# Altium PCB Freezer_Power.PcbDoc (part 3 of 3)
Units mm, origin at the board's own origin, x right, y up, seen from the top; angles counter-clockwise.
Board outline 105 x 115 mm, 6 copper layers (Top Layer, Layer 1, Layer 2, Layer 3, Layer 4, Bottom Layer), stack 1.611 mm thick; 312 components, 161 nets, 807 pads, 469 vias.
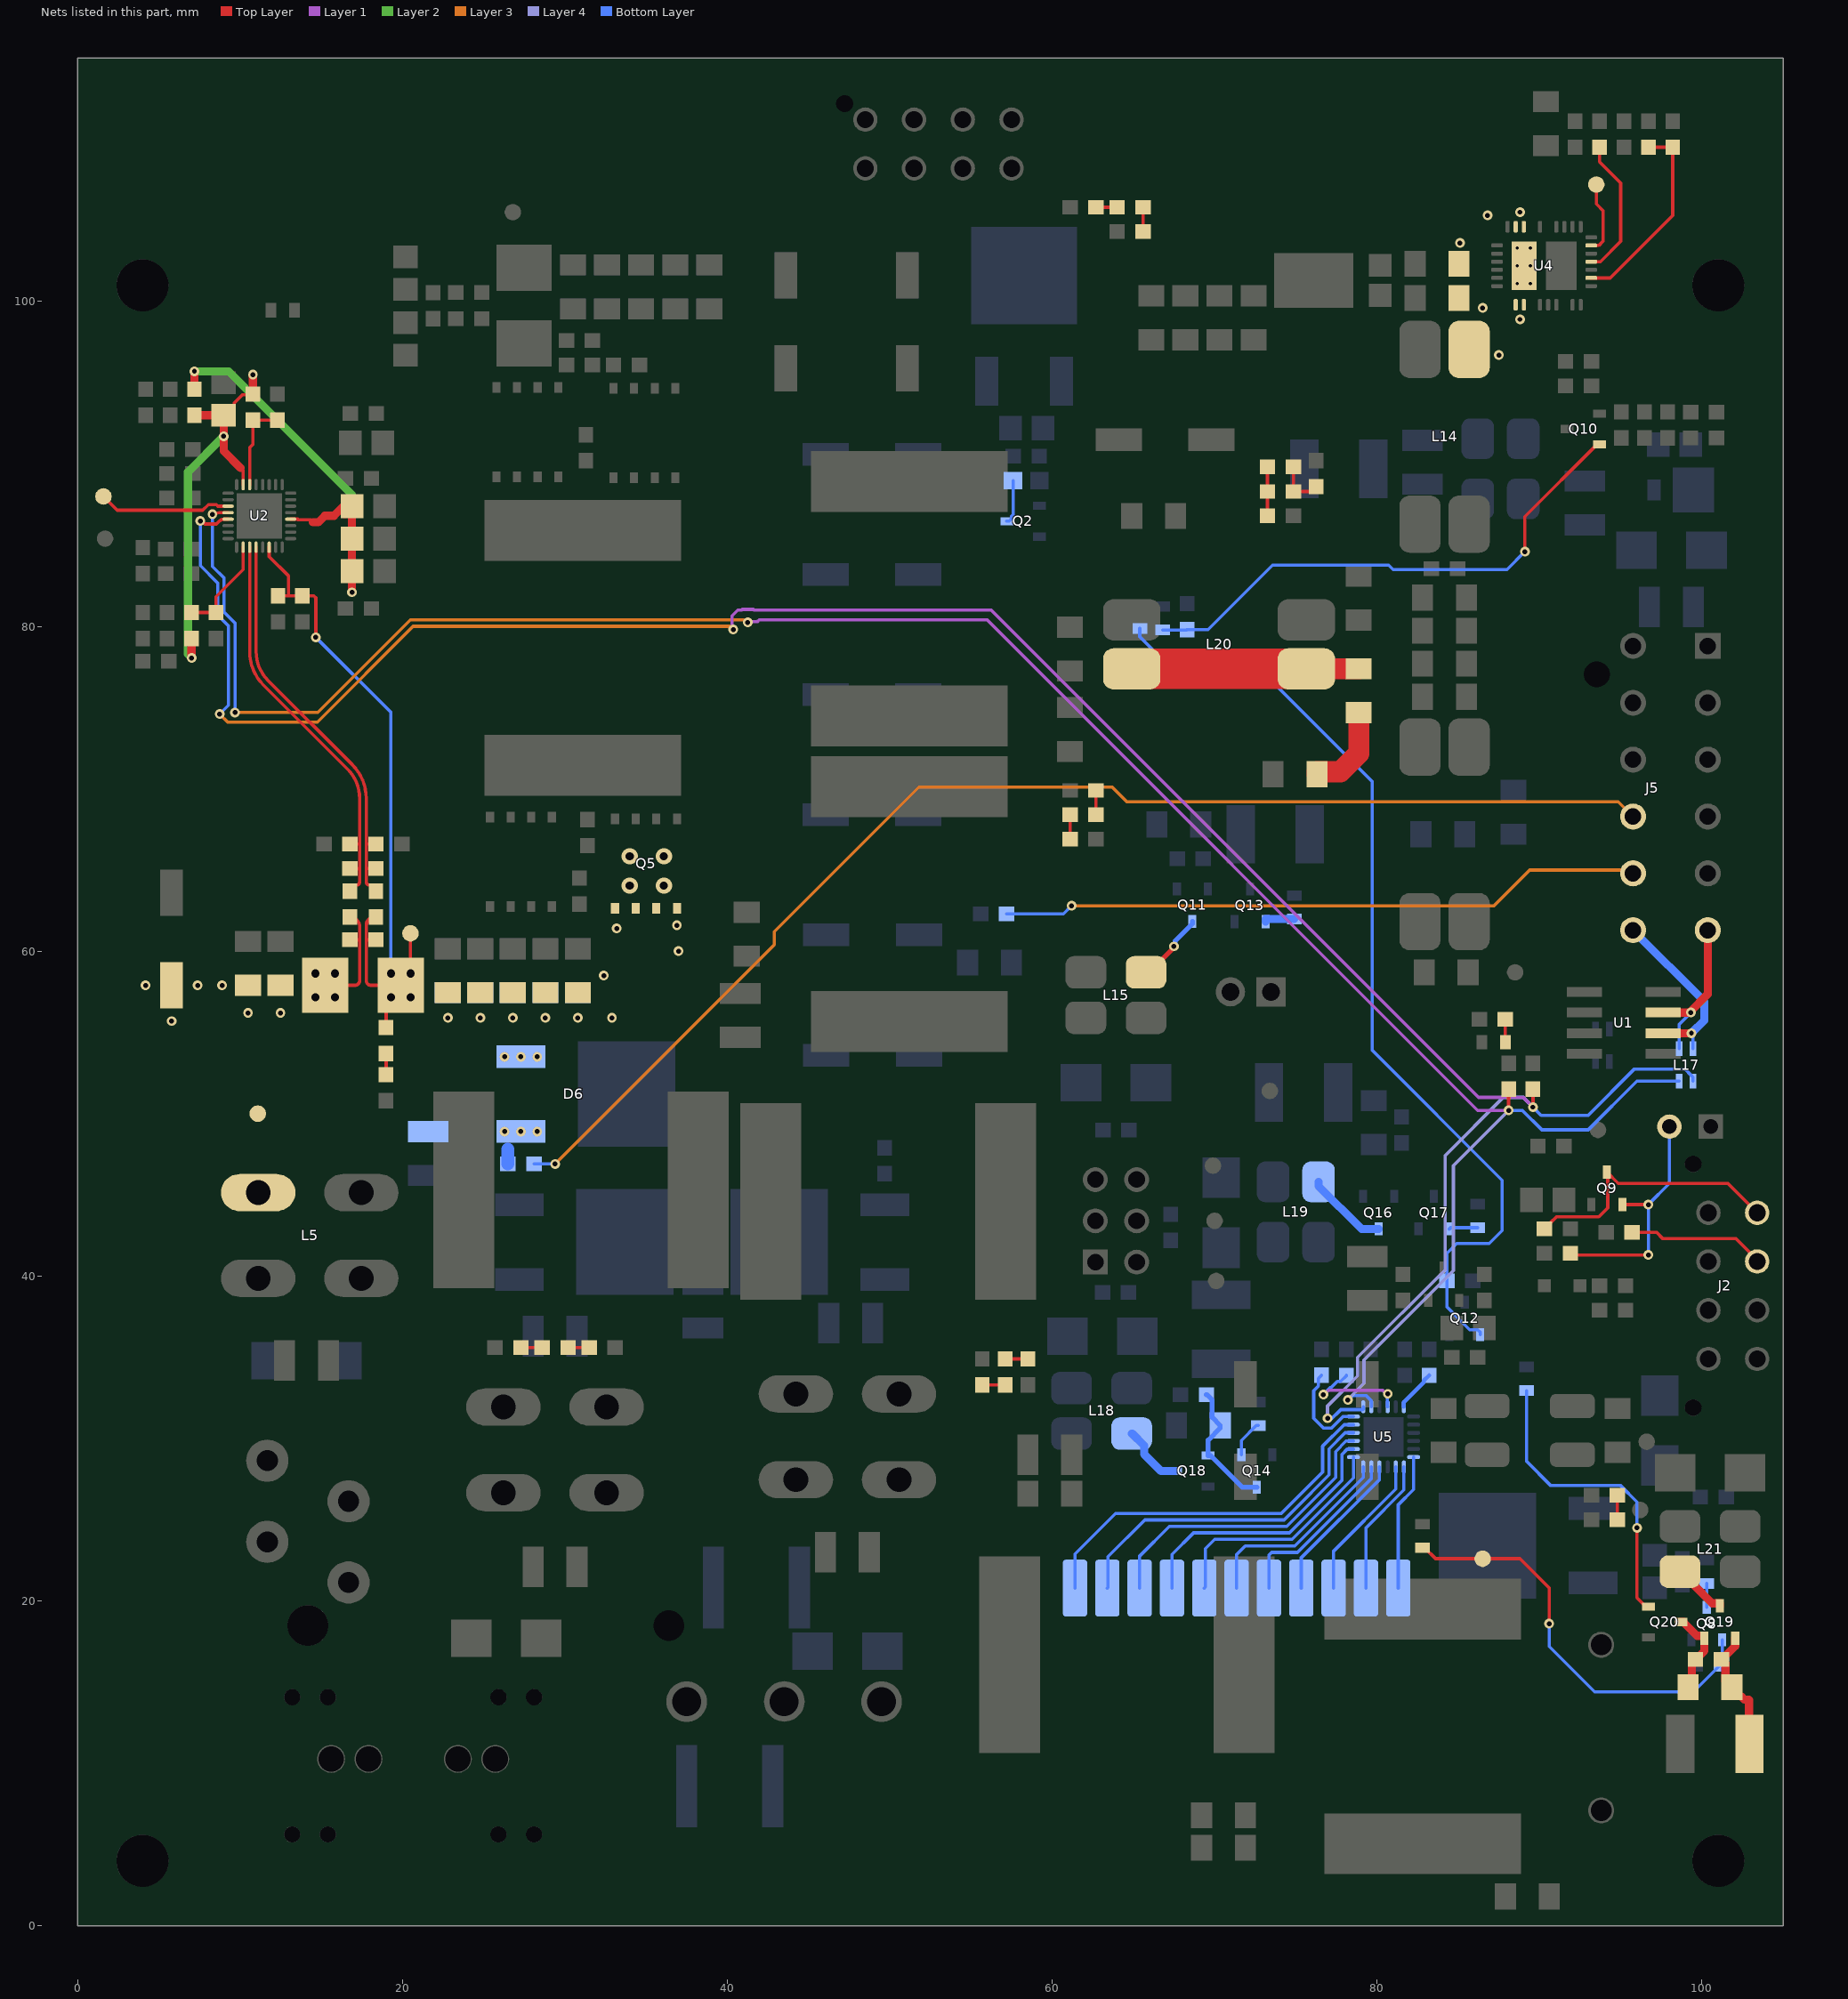
[diagram p7: the nets of this part, all layers, seen from the top]

## Via types
v1: diameter 0.6, hole 0.3, Top Layer to Bottom Layer, tented both sides, 355 vias
v2: diameter 1, hole 0.5, Top Layer to Bottom Layer, tented both sides, 70 vias
v3: diameter 0.5, hole 0.2, Top Layer to Bottom Layer, tented both sides, 20 vias
v4: diameter 0.6, hole 0.3, Top Layer to Bottom Layer, 19 vias
v5: diameter 1, hole 0.5, Top Layer to Bottom Layer, 5 vias

## Nets (pads, with @x,y where several pads share a name; then routed paths per layer and width w, separated by ;. In a path a pad name is that pad's centre, name@x,y a point inside that pad or via, vN(x,y) a via of type N, cw(c..) or ccw(c..) an arc to the next point about the centre after c; other vN are vias at no path point) (continued)
NetC123_2: C123.2 Q14.3 Q18.1 R50.2 | length 8.2
  Bottom Layer w0.3: R50.2@69.5,32.7 69.525,32.7 69.85,32.375 69.85,31.3 C123.2@70.35,30.8 70.35,30.65 69.6,29.9 Q18.1@69.6,28.95 69.75,28.95 71.7,27 Q14.3@72.6,27
NetC127_1: C127.1 R90.2 | length 5.7
  Top Layer w1.3: R90.2@76.3,70.9 76.3,71.05 77.75,71.05 78.875,72.175 C127.1@78.875,74.69
NetC127_2: C127.2 L20.1 L20.4 | length 14
  Top Layer w1.3: L20.1@75.65,77.38 75.66,77.39 C127.2@78.875,77.39
  Top Layer w2.5: L20.4@64.9,77.38 L20.1@75.65,77.38
NetC131_1: C131.1 F6.1 Q19.2 R95.1 | length 7.5
  Top Layer w0.5: R95.1@101.2,16.4 101.225,16.4 102.05,17.225 Q19.2@102.05,17.7 ; R95.1@101.45,16.175 101.45,15.094 C131.1@101.85,14.694 101.85,14.544 102.25,14.144 102.4,14.144 102.625,13.919 102.881,13.919 102.9,13.9 102.9,11.225 F6.1@102.925,11.2
NetC131_2: C131.2 Q19.1 Q20.3 R95.2 | length 5.4
  Top Layer w0.5: Q20.3@98.7,18.7 98.85,18.7 99.7,17.85 100.15,17.85 Q19.1@100.15,17.7 100.15,16.925 99.625,16.4 R95.2@99.6,16.4 99.575,16.4 99.375,16.2 99.375,14.919 C131.2@99.15,14.694
NetD3_1: D3.1 R2.2 | length 1.5
  Top Layer w0.2: D3.1@61.1,66.9 R2.2@61.1,68.4
NetD9_1: D9.1 R20.2 | length 1.5
  Top Layer w0.2: D9.1@65.6,104.3 R20.2@65.6,105.8
NetD11_1: D11.1 R43.1 | length 1.5
  Top Layer w0.2: D11.1@94.8,25 R43.1@94.8,26.5
NetD12_1: D12.1 R62.2 R63.2 | length 2.9
  Top Layer w0.2: R62.2@74.85,89.822 R63.2@74.85,88.3 D12.1@76.25,88.3
NetD13_1: D13.1 R8.2 | length 1.4
  Top Layer w0.2: R8.2@87.9,54.4 D13.1@87.9,55.8
NetD24_1: D24.1 R91.2 | length 1.4
  Top Layer w0.2: R91.2@57.1,34.9 D24.1@58.5,34.9
NetD25_1: D25.1 R93.2 | length 1.3
  Top Layer w0.2: R93.2@30.2,35.6 D25.1@31.5,35.6
NetD26_1: D26.1 R94.2 | length 1.3
  Top Layer w0.2: D26.1@19,52.4 R94.2@19,53.7
NetJ7_1: J7.1 U5.6 | length 8.5
  Bottom Layer w0.2: J7.1@81.308,20.788 81.308,25.922 82.25,26.864 U5.6@82.25,28.85
NetJ8_1: J8.1 U5.7 | length 8.4
  Bottom Layer w0.2: J8.1@79.318,20.788 79.318,24.498 81.65,26.83 U5.7@81.65,28.25
NetJ9_1: J9.1 U5.8 | length 9
  Bottom Layer w0.2: J9.1@77.328,20.788 77.328,23.074 81.15,26.896 U5.8@81.15,28.25
NetJ10_1: J10.1 U5.10 | length 9.5
  Bottom Layer w0.2: J10.1@75.338,20.788 75.338,22.658 80.15,27.47 U5.10@80.15,28.25
NetJ11_1: J11.1 U5.11 | length 11
  Bottom Layer w0.2: J11.1@73.348,20.788 73.348,22.828 73.508,22.988 75.102,22.988 79.65,27.536 U5.11@79.65,28.25
NetJ12_1: J12.1 U5.12 | length 12.5
  Bottom Layer w0.2: J12.1@71.358,20.788 71.358,22.857 71.889,23.388 74.936,23.388 79.15,27.602 U5.12@79.15,28.25
NetJ13_1: J13.1 U5.13 | length 14.7
  Bottom Layer w0.2: J13.1@69.368,20.788 69.441,20.861 69.441,23.221 70.008,23.788 74.771,23.788 78.55,27.567 U5.13@78.55,28.85
NetJ14_1: J14.1 U5.14 | length 16.9
  Bottom Layer w0.2: J14.1@67.378,20.788 67.378,22.858 68.708,24.188 74.605,24.188 77.85,27.433 77.85,29.03 78.16,29.34 78.54,29.34 U5.14@78.55,29.35
NetJ15_1: J15.1 U5.15 | length 19
  Bottom Layer w0.2: J15.1@65.388,20.788 65.388,22.768 67.208,24.588 74.439,24.588 77.45,27.599 77.45,29.196 78.095,29.84 78.54,29.84 U5.15@78.55,29.85
NetJ16_1: J16.1 U5.16 | length 21.2
  Bottom Layer w0.2: J16.1@63.398,20.788 63.441,20.831 63.441,22.721 65.708,24.988 74.074,24.988 ; 74,24.988 74.274,24.988 74.893,25.607 77.05,27.764 77.05,29.361 78.039,30.35 U5.16@78.55,30.35
NetJ17_1: J17.1 U5.17 | length 23.5
  Bottom Layer w0.2: J17.1@61.408,20.788 61.408,22.888 63.908,25.388 74.108,25.388 76.65,27.93 76.65,29.527 77.973,30.85 U5.17@78.55,30.85
NetL15_1: L15.1 Q11.3 | length 4.4
  Top Layer w0.3: L15.1@65.782,58.7 65.966,58.7 67.5,60.234 v4(67.5,60.3)
  Bottom Layer w0.3: v4(67.5,60.3) 67.577,60.377 67.577,60.639 68.628,61.691 Q11.3@68.628,61.841
NetL18_1: L18.1 Q18.3 | length 4
  Bottom Layer w0.5: L18.1@64.9,30.3 64.928,30.3 65.659,29.569 65.659,29.041 66.7,28 Q18.3@67.6,28
NetL19_1: L19.1 Q16.3 | length 5
  Bottom Layer w0.5: L19.1@76.4,45.8 76.4,45.55 79.05,42.9 Q16.3@80.1,42.9
NetL21_1: L21.1 Q19.3 | length 3.5
  Top Layer w0.5: L21.1@98.648,21.8 98.763,21.8 99.494,21.069 99.494,20.987 100.631,19.85 101.1,19.85 Q19.3@101.1,19.7
NetP1_2: P1.2 Q9.2 R60.2 | length 14.9
  Top Layer w0.2: R60.2@91.9,41.4 92,41.3 v4(96.7,41.3) ; Q9.2@95.1,44.4 v4(96.7,44.4)
  Bottom Layer w0.2: v4(96.7,41.3) v4(96.7,44.4) 98,45.7 P1.2@98,49.2
NetQ2_3: Q2.3 R22.1 | length 2.8
  Bottom Layer w0.2: Q2.3@57.209,86.475 57.359,86.475 57.509,86.625 57.509,86.775 57.609,86.875 R22.1@57.609,88.975
NetQ8_1: Q8.1 R41.2 R44.2 TP7.1 | length 26.4
  Top Layer w0.2: R41.2@82.8,23.275 82.925,23.275 83.6,22.6 TP7.1@86.5,22.6 88.8,22.6 90.6,20.8 v4(90.6,18.6)
  Bottom Layer w0.2: v4(90.6,18.6) 90.6,17.2 93.4,14.4 99.475,14.4 101.175,16.1 R44.2@101.2,16.1 101.25,16.15 Q8.1@101.25,17.6
NetQ8_3: Q8.3 R42.1 | length 1.5
  Bottom Layer w0.2: Q8.3@100.3,19.6 R42.1@100.3,21.075
NetQ10_1: Q10.1 R6.2 R13.1 | length 33.1
  Top Layer w0.2: v4(89.1,84.6) 89.1,86.75 93.55,91.2 Q10.1@93.7,91.2
  Bottom Layer w0.2: R6.2@66.8,79.775 68.275,79.775 R13.1@68.3,79.8 69.6,79.8 73.574,83.774 80.723,83.774 80.997,83.5 88,83.5 v4(89.1,84.6)
NetQ12_1: Q12.1 R14.2 R16.2 | length 59.6
  Bottom Layer w0.2: R16.2@65.4,79.875 65.391,79.866 65.391,79.367 66.858,77.9 72.249,77.9 79.7,70.449 79.7,53.9 87.7,45.9 87.7,42.8 86.9,42 84.9,42 84.3,41.4 R14.2@84.3,39.7 84.3,38.1 85.7,36.7 86.2,36.7 86.35,36.55 Q12.1@86.35,36.4
NetQ13_1: Q13.1 R45.2 | length 1.9
  Bottom Layer w0.5: Q13.1@73.134,61.823 73.134,61.973 73.137,61.975 R45.2@74.9,61.975
NetQ14_1: Q14.1 R52.2 | length 2.3
  Bottom Layer w0.2: Q14.1@71.65,29 71.65,29.875 72.575,30.8 R52.2@72.7,30.8
NetQ17_1: Q17.1 R47.2 | length 1.8
  Bottom Layer w0.2: Q17.1@84.45,42.9 84.525,42.975 R47.2@86.2,42.975
NetQ20_1: Q20.1 R9.2 | length 19
  Top Layer w0.2: v4(96,24.5) 96,20.2 96.4,19.8 96.55,19.65 Q20.1@96.7,19.65
  Bottom Layer w0.2: R9.2@89.2,32.95 89.2,28.6 90.7,27.1 95,27.1 96,26.1 v4(96,24.5)
NetR1_1: R1.1 R2.1 | length 1.5
  Top Layer w0.2: R2.1@62.7,68.4 R1.1@62.7,69.9
NetR18_1: R18.1 R20.1 | length 1.3
  Top Layer w0.2: R18.1@62.7,105.8 R20.1@64,105.8
NetR29_1: R29.1 R30.2 U2.18 | length 6.2
  Top Layer w0.2: R29.1@7.025,80.85 R30.2@8.525,80.85 8.525,81.825 10.2,83.5 U2.18@10.2,84.875
NetR31_1: R31.1 R32.1 U2.6 | length 5.6
  Top Layer w0.2: U2.6@10.6,88.725 10.6,91 10.8,91.2 R31.1@10.8,92.7 R32.1@12.3,92.7
NetR61_1: R61.1 R62.1 R63.1 | length 3
  Top Layer w0.2: R61.1@73.25,86.8 R62.1@73.25,89.822
NetR67_1: R67.1 R68.2 U4.31 | length 12.3
  Top Layer w0.2: U4.31@93.185,101.45 94.35,101.45 98.2,105.3 R67.1@98.2,109.5 R68.2@96.7,109.5
NetR70_2: R70.2 U4.33 | length 8.7
  Top Layer w0.2: U4.33@93.185,102.45 93.75,102.45 95,103.7 95,107.3 93.7,108.6 R70.2@93.7,109.5
NetR78_2: R78.2 U5.24 | length 2.6
  Bottom Layer w0.25: U5.24@81.65,31.95 81.65,32.225 82.883,33.458 82.883,33.563 R78.2@83.208,33.888
NetR79_2: R79.2 U5.22 | length 6.9
  Layer 1 w0.2: v1(76.7,32.7) 76.741,32.7 77.017,32.977 80.344,32.977 80.57,32.751 v1(80.662,32.751)
  Bottom Layer w0.2: v1(76.7,32.7) 77.117,33.117 77.162,33.117 77.558,33.513 77.758,33.513 78.108,33.863 R79.2@78.108,33.888 ; U5.22@80.65,31.95 80.64,31.96 80.64,32.27 80.635,32.276 80.635,32.724 v1(80.662,32.751)
NetR82_2: R82.2 R91.1 | length 1.4
  Top Layer w0.2: R82.2@55.7,33.3 R91.1@57.1,33.3
NetR92_2: R92.2 R93.1 | length 1.3
  Top Layer w0.2: R92.2@27.3,35.6 R93.1@28.6,35.6
NetR97_2: R97.2 U5.18 | length 5.8
  Bottom Layer w0.2: R97.2@76.588,33.892 76.386,33.69 76.386,33.234 76.1,32.949 76.1,31.247 76.703,30.643 77.2,30.643 77.907,31.35 U5.18@78.55,31.35
P: J2.6 R59.1 | length 8.5
  Top Layer w0.2: R59.1@95.7,42.7 97.2,42.7 97.6,42.3 102.1,42.3 J2.6@103.5,40.9
PGOOD: TP12.1 U4.35 | length 4.4
  Top Layer w0.2: U4.35@93.185,103.45 93.65,103.45 93.917,103.717 93.917,105.583 93.5,106 TP12.1@93.5,107.054
PROCHOT: TP6.1 U2.11 | length 8.2
  Top Layer w0.2: TP6.1@1.6,88 2.45,87.15 7.711,87.15 8.061,87.5 8.549,87.5 8.649,87.4 U2.11@9.275,87.4
SCL: L17.1 R10.2 U2.13 U5.19 | length 154
  Top Layer w0.2: v1(7.565,86.485) 7.673,86.485 7.858,86.3 8.549,86.3 8.606,86.355 8.751,86.491 8.759,86.499 cw(c9.025,86.2) 8.838,86.553 cw(c9.025,86.2) 9.025,86.6 U2.13@9.275,86.6 ; v1(76.952,31.243) v1@77,31.195 ; v1(89.6,50.4) R10.2@89.6,51.5
  Layer 1 w0.2: v1(40.371,79.8) 40.3,79.871 40.3,80.649 40.651,81 40.891,81 40.935,81.045 41.598,81.045 41.643,81 56.251,81 86.251,51 89,51 v1(89.6,50.4)
  Layer 3 w0.2: v1(8.751,74.6) 9.251,74.1 14.766,74.1 20.666,80 40.2,80 40.371,79.829 v1(40.371,79.8)
  Layer 4 w0.2: v1(76.952,31.243) 76.952,32 78.8,33.849 78.8,34.994 84.203,40.397 84.203,47.434 87.769,51 89,51 v1(89.6,50.4)
  Bottom Layer w0.2: v1(7.565,86.485) 7.565,83.735 8.63,82.67 8.63,80.704 9.3,80.034 9.3,75.149 v1(8.751,74.6) ; v1(76.952,31.243) 77.093,31.102 v1@77.091,31.101 ; v1@77.091,31.1 77.766,31.775 79.127,31.775 79.15,31.798 U5.19@79.15,31.95 ; v1(89.6,50.4) 90.1,49.9 93,49.9 95.85,52.75 98.95,52.75 99.35,52.35 99.45,52.25 L17.1@99.45,52
SCL_EXT: J5.12 L17.2 U1.6 | length 11
  Top Layer w0.5: U1.6@97.612,54.952 v1(99.352,54.952)
  Bottom Layer w0.2: L17.2@99.45,54 v1@99.45,54.746
  Bottom Layer w0.5: J5.12@95.758,61.295 100.15,56.903 100.15,55.75 v1(99.352,54.952)
SDA: L17.4 R11.2 U2.12 U5.20 | length 144.7
  Top Layer w0.2: v1(8.31,86.9) 8.719,87 U2.12@9.275,87 ; v1(88.1,50.2) R11.2@88.1,51.5
  Layer 1 w0.2: v1(41.267,80.245) 41.322,80.3 41.867,80.3 41.967,80.4 56,80.4 86.2,50.2 v1(88.1,50.2)
  Layer 3 w0.2: v1(9.7,74.7) 14.8,74.7 20.5,80.4 41.003,80.4 41.158,80.245 v1(41.267,80.245)
  Layer 4 w0.2: v1(78.2,32.377) 78.2,32.4 79.2,33.4 79.2,34.829 84.7,40.329 84.7,46.8 v1(88.1,50.2)
  Bottom Layer w0.2: v1(8.31,86.9) 8.31,83.69 9.03,82.97 9.03,80.87 9.7,80.2 v1(9.7,74.7) ; v1(78.2,32.377) 78.244,32.377 78.517,32.65 79.326,32.65 79.64,32.336 79.64,31.96 U5.20@79.65,31.95 ; v1(88.1,50.2) 88.951,50.2 90.151,49 93,49 96,52 L17.4@98.6,52
SDA_EXT: J5.6 L17.3 U1.7 | length 9.7
  Top Layer w0.5: U1.7@97.612,56.222 99.222,56.222 100.358,57.358 J5.6@100.358,61.295
  Bottom Layer w0.2: L17.3@98.6,54 98.6,55.5 v1(99.322,56.222)
SR1_N: C62.1 C66.1 C67.2 C68.2 L5.2 R28.1 R35.2 TP9.1 | length 7.1
  Top Layer w0.2: R28.1@15.25,57.9 17.075,57.9 ccw(c17.075,58.2) 17.375,58.2 17.375,60.7 ; C62.1@16.775,60.7 17.375,60.7 ; R35.2@16.775,62.1 cw(c16.775,61.5) 17.375,61.5 17.375,60.7
  other v1: 5.8,55.7 10.5,56.2 12.5,56.2 4.2,57.9 7.4,57.9 8.9,57.9
  other v2: 14.649,57.168 15.851,57.168 14.649,58.632 15.851,58.632
SR1_P: C12.2 C46.2 C47.2 C48.2 C49.2 C50.2 C51.2 C52.2 C53.2 C54.2 C55.2 C56.2 C57.2 C62.2 D6.1 D6.3 Q5.5 Q5.6 Q5.7 Q5.8 R15.2 R28.2 R34.2 R94.1 TP1.1 U2.22 | length 45.3
  Top Layer w0.2: U2.22@11.8,84.875 11.8,84.294 13,83.094 13,81.9 ; C47.2@12.35,81.875 C46.2@13.85,81.875 14.558,81.875 14.675,81.758 v1(14.675,79.325) ; 17.775,61.6 cw(c18.275,61.6) 18.275,62.1 R34.2@18.375,62.1 ccw(c18.375,61.5) 17.775,61.5 17.775,60.7 ; C62.2@18.375,60.7 17.775,60.7 ; R94.1@19,55.3 19,57 R28.2@19.9,57.9 18.075,57.9 cw(c18.075,58.2) 17.775,58.2 17.775,60.7 ; TP1.1@20.5,61.1 20.5,58.633 v2(20.501,58.632)
  Bottom Layer w0.2: v1(14.675,79.325) 19.299,74.701 v2(19.299,58.632) v2@19.299,58.62
  Bottom Layer w0.8: R15.2@26.5,46.9 26.5,47.8
  other v1: 26.3,48.9 27.3,48.9 28.3,48.9 26.3,53.5 27.3,53.5 28.3,53.5 22.8,55.9 24.8,55.9 26.8,55.9 28.8,55.9 30.8,55.9 32.9,55.9 32.4,58.5 37,60 33.2,61.4 36.9,61.6
  other v2: 19.299,57.168 20.501,57.168 34,64.04 36.1,64.04 34,65.84 36.1,65.84
SR_N: C74.1 C76.1 R35.1 U2.19 | length 25.3
  Top Layer w0.2: U2.19@10.6,84.875 10.6,78.451 ccw(c13.536,78.451) 11.46,76.374 16.631,71.203 cw(c14.835,69.407) 17.375,69.407 17.375,66.6 ; R35.1@16.775,63.7 cw(c16.835,63.7) 16.793,63.743 17.078,64.028 cw(c17.191,63.915) 17.191,64.075 ccw(c17.191,64.235) 17.305,64.122 ccw(c17.135,64.291) 17.375,64.291 17.375,65 ; C74.1@16.775,65.1 17.134,65.1 cw(c17.134,64.759) 17.375,65 ; C76.1@16.775,66.6 17.375,66.6 ; 17.375,65 17.375,66.6
SR_P: C73.1 C74.2 R34.1 U2.20 | length 25.2
  Top Layer w0.2: U2.20@11,84.875 11,78.452 ccw(c13.54,78.452) 11.744,76.656 16.917,71.483 cw(c14.846,69.412) 17.775,69.412 17.775,66.6 ; R34.1@18.375,63.7 ccw(c18.315,63.7) 18.357,63.743 18.072,64.028 ccw(c17.959,63.915) 17.959,64.075 cw(c17.959,64.235) 17.845,64.122 cw(c18.015,64.291) 17.775,64.291 17.775,65.1 ; C74.2@18.375,65.1 17.775,65.1 ; C73.1@18.375,66.6 17.775,66.6 ; 17.775,65.1 17.775,66.6
SW_12: C91.1 C93.1 L14.1 U4.8 U4.9 U4.20 U4.21 U4.38
  other v1: 87.5,96.7 88.8,98.9 86.5,99.6 85.1,103.6 86.8,105.3 88.8,105.5
  other v3: 88.635,101.1 89.435,101.1 88.635,102.2 89.435,102.2 88.635,103.3 89.435,103.3
T: J2.8 Q9.3 R57.2 | length 17
  Top Layer w0.2: R57.2@90.3,42.9 90.325,42.9 90.675,43.25 90.675,43.275 91.05,43.65 93.65,43.65 94.2,44.2 94.2,46.35 Q9.3@94.15,46.4 94.85,45.7 101.6,45.7 J2.8@103.4,43.9
VBATT_VS: J5.10 R15.1 | length 78.5
  Layer 3 w0.2: v1(29.4,46.9) 42.9,60.4 42.9,61.2 51.8,70.1 63.7,70.1 64.6,69.2 94.853,69.2 J5.10@95.758,68.295
  Bottom Layer w0.2: R15.1@28.1,46.9 v1(29.4,46.9)
VDDA: C63.2 R27.2 R29.2 R31.2 U2.7 | length 26.1
  Top Layer w0.2: C63.2@9,93 9.05,93 9.65,93.6 9.65,93.75 10.167,94.267 10.767,94.267 R31.2@10.8,94.3 ; 10.05,89.75 10.2,89.6 U2.7@10.2,88.725
  Top Layer w0.5: v1(7.025,78.05) R29.2@7.025,79.25 ; R27.2@7.2,93 C63.2@9,93 9,90.8 10.05,89.75 ; R31.2@10.8,94.3 v1(10.8,95.5)
  Layer 2 w0.5: v1(7.025,78.05) 7.025,78.077 6.8,78.302 6.8,89.5 v1(9,91.7)
VMAIN_VS: J5.11 R12.1 | length 39.8
  Layer 3 w0.2: v4(61.2,62.8) 87.2,62.8 89.4,65 95.553,65 J5.11@95.758,64.795
  Bottom Layer w0.2: R12.1@57.2,62.3 60.7,62.3 v4(61.2,62.8)
VREGN: C43.2 C44.2 C45.2 R27.1 U2.28 | length 30.1
  Top Layer w0.2: U2.28@13.125,86.6 13.556,86.6 13.602,86.554 14.35,86.554 14.5,86.404
  Top Layer w0.5: R27.1@7.2,94.6 v1(7.2,95.7) ; 14.5,86.404 14.824,86.404 15.229,86.809 15.794,86.809 16.386,87.4 C43.2@16.9,87.4 ; C43.2@16.45,86.9 16.9,87.35 C44.2@16.9,85.4 C45.2@16.9,83.4 v1(16.9,82.1)
  Layer 2 w0.5: v1(7.2,95.7) 9.3,95.7 16.9,88.1 v1(16.9,82.1)
pads on no net: J1.0 J2. J3.0 J4.0 J5.0 J19.0 U1.4 U2.21 U4.1 U4.2 U4.3 U4.6 U4.10 U4.23 U5.4

## Polygon pours and split planes (outlines as drawn)
GND on Top Layer "Top Layer-GND" (solid, remove dead copper, pour order 167): 54 vertices, not listed, extent 0,0 105,115
GND_CMP on Top Layer "GND_CMP_L01_P037" (solid, remove dead copper, pour order 37): 105,30.5 90.9,30.5 90.1,31.3 90.1,32.8 90.6,33.3 105,33.3
NetC38_2 on Top Layer "NETC38_2_L01_P089" (solid, remove dead copper, pour order 89): 51.4,90.8 54.9,94.3 54.9,96.7 55.4,97.2 56.6,97.2 57.25,96.55 57.25,87.05 45.15,87.05 45.15,90.8
AC1_P on Top Layer "AC1_P_L01_P068" (solid, remove dead copper, pour order 68): 40.255,100.645 42.3,98.6 61.525,98.6 61.525,104.6 30.3,104.6 29.195,103.495 25.795,103.495 25.795,100.645
NetC70_1 on Top Layer "NETC70_1_L01_P041" (solid, remove dead copper, pour order 41): 29.946,67.8 29.599,67.453 29.599,64.3 24.999,64.3 24.999,73.325 37.15,73.325 37.15,67.8
NetC69_1 on Top Layer "NETC69_1_L01_P042" (solid, remove dead copper, pour order 42): 32,89.7 32.601,90.301 32.601,93.5 37.201,93.5 37.201,84.025 25.05,84.025 25.05,89.7 31.1,89.7
SR1_P on Top Layer "SR1_P_L01_P043" (solid, remove dead copper, pour order 43): 32.7,67.399 32.7,60 31.7,59 21.925,59 21.325,59.6 18.475,59.6 18.475,56.2 21.325,56.2 21.925,55.6 33,55.6 37.3,59.9 37.3,67.399
SR1_N on Top Layer "SR1_N_L01_P046" (solid, remove dead copper, pour order 46): 16.675,59.6 4.9,59.6 3.729,58.429 3.729,57.371 4.9,56.2 16.675,56.2
AC1_N on Top Layer "AC1_N_L01_P069" (solid, remove dead copper, pour order 69): 25.795,98.845 25.795,95.695 24.9,94.8 24.9,90.4 25.3,90 30.1,90 30.5,90.4 30.5,95.3 30.8,95.6 30.8,98 30.5,98.3 29.74,98.3 29.195,98.845
SR1_P on Top Layer "SR1_P_L01_P071" (solid, remove dead copper, pour order 71): 21.325,59.6 22.125,58.8 31.5,58.8 32.2,59.5 32.2,66.6 32.8,67.2 37.3,67.2 37.9,66.6 37.9,57.2 35.7,55 22.525,55 21.325,56.2 18.475,56.2 18.475,59.6
NetC27_2 on Top Layer "NETC27_2_L01_P072" (solid, remove dead copper, pour order 72): 45.15,76.35 45.15,68.25 57.25,68.25 57.25,76.35
+10-25V on Top Layer "+10-25V_L01_P121" (solid, remove dead copper, pour order 121): 83.914,57.914 83.5,57.5 60.95,57.5 56.95,53.5 45.45,53.5 44.9,54.05 44.9,57.3 51.186,63.586 83.542,63.586 83.914,63.214
+10-25V_OR on Top Layer "+10-25V_OR_L01_P142" (solid, remove dead copper, pour order 142): 21.9,50.65 23.95,52.7 31.7,52.7 35.8,48.6 35.8,41.4 32.95,38.55 21.9,38.55
BATT+ on Top Layer "BATT+_L01_P141" (solid, remove dead copper, pour order 141): 14.4,40.4 14.4,27.4 14.187,27.187 14.187,20.713 12.774,19.3 10.4,19.3 9.1,20.6 9.1,40.2 10.3,41.4 13.2,41.4
BATT- on Top Layer "BATT-_L01_P132" (solid, remove dead copper, pour order 132): 14.4,27.4 14.187,27.187 14.187,20.713 15.7,19.2 18.1,19.2 19.735,20.835 19.735,40.165 18.5,41.4 15.4,41.4 14.4,40.4
CMPRSR_SW on Top Layer "CMPRSR_SW_L01_P116" (solid, remove dead copper, pour order 116): 71.1,28.975 71.1,26.325 74.125,23.3 89.9,23.3 90.5,23.9 90.5,26.9 88.7,28.7 88.7,29.5 87.9,30.3 72.425,30.3
NetC84_2 on Top Layer "NETC84_2_L01_P115" (solid, remove dead copper, pour order 115): 76.4,3.7 76.75,3.35 76.75,3.175 77.025,2.9 89,2.9 89.95,1.95 89.95,1 91.25,1 94.9,4.65 94.9,7.4 94.2,8.1 77.925,8.1 76.4,6.575
NetC87_2 on Top Layer "NETC87_2_L01_P114" (solid, remove dead copper, pour order 114): 70.3,23.1 87.5,23.1 89.7,20.9 89.7,18.1 81.9,10.3 70,10.3 69.4,10.9 69.4,22.2
+10-25V on Top Layer "+10-25V_L01_P091" (solid, remove dead copper, pour order 91): 55.25,50.65 60,50.65 60,10.65 55.5,10.65 55.25,10.9
+10-25V on Top Layer "+10-25V_L01_P090" (solid, remove dead copper, pour order 90): 81.374,62.951 81.374,56.8 83.914,56.8 83.914,62.951
ACDC+ on Top Layer "ACDC+_L01_P086" (solid, remove dead copper, pour order 86): 47.4,27.8 47.4,16.9 46.5,16 46.5,13 47.5,12 52.2,12 53.5,13.3 53.5,27.2 52,28.7 48.3,28.7
GND_AC on Top Layer "GND_AC_L01_P085" (solid, remove dead copper, pour order 85): 46.5,12.6 45.9,12 42.9,12 41.6,13.3 41.6,27.8 42.5,28.7 46.5,28.7 47.4,27.8 47.4,16.9 46.5,16
DCDC+ on Top Layer "DCDC+_L01_P084" (solid, remove dead copper, pour order 84): 19 vertices, not listed, extent 13.9,8.6 29.4,28.1
GND_DC on Top Layer "GND_DC_L01_P082" (solid, remove dead copper, pour order 82): 19 vertices, not listed, extent 20.666,8.6 35,28.1
SW_12 on Top Layer "SW_12_L01_P081" (solid, remove dead copper, pour order 81): 84.394,99.006 84,99.4 84,103.1 86.8,105.9 89,105.9 89.5,105.4 89.5,104.015 89.815,103.7 89.815,100.615 89.4,100.2 89.4,97.9 86.781,95.281 84.766,95.281 84.394,95.653
GND on Top Layer "GND_L01_P080" (solid, remove dead copper, pour order 80): 87.787,103.575 86.475,103.575 86.1,103.2 86.1,101 86.275,100.825 87.825,100.825 87.9,100.9 87.9,103.462
NetC91_2 on Top Layer "NETC91_2_L01_P076" (solid, remove dead copper, pour order 76): 83,103.12 79.7,103.12 79.3,102.72 79.3,97.727 81.746,95.281 83.914,95.281 83.914,98.686 83.367,99.233 83.367,102.753
NetC8_2 on Top Layer "NETC8_2_L01_P075" (solid, remove dead copper, pour order 75): 39.55,54.05 36.35,50.85 36.35,38.55 44.55,38.55 44.55,51.55 42.05,54.05 42.05,55.35 39.55,55.35
+10-25V on Top Layer "+10-25V_L01_P074" (solid, remove dead copper, pour order 74): 45.15,53.8 52.6,46.35 52.6,41.2 55.25,38.55 59,38.55 59,55.8 57.25,57.55 45.15,57.55
NetC100_2 on Top Layer "NETC100_2_L01_P064" (solid, remove dead copper, pour order 64): 84.154,87.449 83.542,88.061 82.95,88.061 81.746,88.061 81.1,87.415 81.1,71.452 81.952,70.6 83.336,70.6 84.154,71.418
+12V_U on Top Layer "+12V_U_L01_P063" (solid, remove dead copper, pour order 63): 78.53,99.62 66.02,99.62 65,98.6 65,93.7 66.665,92.035 66.665,79.502 66.293,79.13 63.507,79.13 63.135,79.502 63.135,88.665 62.3,89.5 62.3,101.6 63.68,102.98 78.53,102.98
NetC91_2 on Top Layer "NETC91_2_L01_P062" (solid, remove dead copper, pour order 62): 79.5,97.527 81.746,95.281 83.542,95.281 83.914,95.653 83.914,102.206 82.82,103.3 79.88,103.3 79.5,102.92
NetC99_2 on Top Layer "NETC99_2_L01_P061" (solid, remove dead copper, pour order 61): 84.4,69.1 84.8,69.1 84.9,69 84.9,65.4 84.7,65.2 84.5,65.2 83.5,66.2 83.5,68.2
SR1_N on Top Layer "SR1_N_L01_P048" (solid, remove dead copper, pour order 48): 13.8,53.325 16.675,56.2 16.275,56.6 9.8,56.6 4.5,56.6 9.1,52 9.1,45 10.3,43.8 13.3,43.8 13.8,44.3
CMPRSR+ on Top Layer "CMPRSR+_L01_P036" (solid, remove dead copper, pour order 36): 105,30.5 90.9,30.5 90.1,29.7 90.1,28.3 90.6,27.8 105,27.8
GND_HTR on Top Layer "GND_HTR_L01_P033" (solid, remove dead copper, pour order 33): 63.93,45.07 63.93,57.03 63.36,57.6 61.3,57.6 60.26,56.56 60.26,46.9 62.09,45.07
+12V_HTR on Top Layer "+12V_HTR_L01_P032" (solid, remove dead copper, pour order 32): 63.93,45.07 63.93,57.03 64.5,57.6 66.51,57.6 67.6,56.51 67.6,46.9 65.77,45.07
GND on Layer 1 "Top Layer-GND" (solid, remove dead copper, pour order 169): 54 vertices, not listed, extent 0,0 105,115
NetC70_1 on Layer 1 "NETC70_1_L02_P053" (solid, remove dead copper, pour order 53): 29.946,67.8 29.599,67.453 29.599,63.9 24.999,63.9 24.999,73.325 37.15,73.325 37.15,67.8
NetC69_1 on Layer 1 "NETC69_1_L02_P054" (solid, remove dead copper, pour order 54): 32,89.7 32.601,90.3 32.601,93.5 37.201,93.5 37.201,84.025 25.05,84.025 25.05,89.7 31.1,89.7
SR1_P on Layer 1 "SR1_P_L02_P055" (solid, remove dead copper, pour order 55): 32.7,67.4 32.7,60 31.7,59 21.925,59 21.325,59.6 18.475,59.6 18.475,56.2 21.325,56.2 21.925,55.6 33,55.6 37.3,59.9 37.3,67.4
SR1_N on Layer 1 "SR1_N_L02_P162" (solid, remove dead copper, pour order 162): 16.675,59.6 4.9,59.6 3.729,58.429 3.729,57.371 4.9,56.2 16.675,56.2
SR1_N on Layer 1 "SR1_N_L02_P168" (solid, remove dead copper, pour order 168): 13.8,53.325 16.675,56.2 16.275,56.6 9.8,56.6 4.5,56.6 9.1,52 9.1,45 10.3,43.8 13.3,43.8 13.8,44.3
+10-25V on Layer 1 "+10-25V_L02_P152" (solid, remove dead copper, pour order 152): 55.25,50.65 59,50.65 59,23 59.25,22.75 59.25,10.65 55.5,10.65 55.25,10.9
DCDC+ on Layer 1 "DCDC+_L02_P151" (solid, remove dead copper, pour order 151): 19 vertices, not listed, extent 13.9,8.6 29.4,28.1
GND_DC on Layer 1 "GND_DC_L02_P144" (solid, remove dead copper, pour order 144): 19 vertices, not listed, extent 20.666,8.6 35,28.1
BATT+ on Layer 1 "BATT+_L02_P143" (solid, remove dead copper, pour order 143): 14.4,40.4 14.4,27.4 14.187,27.187 14.187,20.713 12.774,19.3 10.4,19.3 9.1,20.6 9.1,40.2 10.3,41.4 13.2,41.4
BATT- on Layer 1 "BATT-_L02_P124" (solid, remove dead copper, pour order 124): 14.4,27.4 14.187,27.187 14.187,20.713 15.7,19.2 18.1,19.2 19.735,20.835 19.735,40.165 18.5,41.4 15.4,41.4 14.4,40.4
GND_AC on Layer 1 "GND_AC_L02_P108" (solid, remove dead copper, pour order 108): 46.5,12.6 45.9,12 42.9,12 41.6,13.3 41.6,27.8 42.5,28.7 46.5,28.7 47.4,27.8 47.4,16.9 46.5,16
ACDC+ on Layer 1 "ACDC+_L02_P097" (solid, remove dead copper, pour order 97): 47.4,27.8 47.4,16.9 46.5,16 46.5,13 47.5,12 52.2,12 53.5,13.3 53.5,27.2 52,28.7 48.3,28.7
SW_12 on Layer 1 "SW_12_L02_P083" (solid, remove dead copper, pour order 83): 84.394,99.006 84,99.4 84,103.1 86.8,105.9 89,105.9 89.5,105.4 89.5,104.015 89.815,103.7 89.815,100.615 89.4,100.2 89.4,97.9 86.781,95.281 84.766,95.281 84.394,95.653
BATT- on Layer 1 "BATT-_L02_P003" (solid, remove dead copper, pour order 3): 14.4,40.4 14.4,27.4 14.187,27.187 14.187,20.713 12.774,19.3 10.4,19.3 9.1,20.6 9.1,40.2 10.3,41.4 13.2,41.4
BATT+ on Layer 1 "BATT+_L02_P002" (solid, remove dead copper, pour order 2): 14.4,27.4 14.187,27.187 14.187,20.713 15.7,19.2 18.1,19.2 19.735,20.835 19.735,40.165 18.5,41.4 15.4,41.4 14.4,40.4
GND on Layer 2 "Top Layer-GND" (solid, remove dead copper, pour order 163): 54 vertices, not listed, extent 0,0 105,115
DCDC+ on Layer 2 "DCDC+_L03_P153" (solid, remove dead copper, pour order 153): 19 vertices, not listed, extent 13.9,8.6 29.4,28.1
GND_DC on Layer 2 "GND_DC_L03_P146" (solid, remove dead copper, pour order 146): 19 vertices, not listed, extent 20.666,8.6 35,28.1
BATT+ on Layer 2 "BATT+_L03_P145" (solid, remove dead copper, pour order 145): 14.4,40.4 14.4,27.4 14.187,27.187 14.187,20.713 12.774,19.3 10.4,19.3 9.1,20.6 9.1,40.2 10.3,41.4 13.2,41.4
BATT- on Layer 2 "BATT-_L03_P136" (solid, remove dead copper, pour order 136): 14.4,27.4 14.187,27.187 14.187,20.713 15.7,19.2 18.1,19.2 19.735,20.835 19.735,40.165 18.5,41.4 15.4,41.4 14.4,40.4
BATT- on Layer 2 "BATT-_L03_P135" (solid, remove dead copper, pour order 135): 14.4,40.4 14.4,27.4 14.187,27.187 14.187,20.713 12.774,19.3 10.4,19.3 9.1,20.6 9.1,40.2 10.3,41.4 13.2,41.4
BATT+ on Layer 2 "BATT+_L03_P125" (solid, remove dead copper, pour order 125): 14.4,27.4 14.187,27.187 14.187,20.713 15.7,19.2 18.1,19.2 19.735,20.835 19.735,40.165 18.5,41.4 15.4,41.4 14.4,40.4
GND_AC on Layer 2 "GND_AC_L03_P109" (solid, remove dead copper, pour order 109): 46.5,12.6 45.9,12 42.9,12 41.6,13.3 41.6,27.8 42.5,28.7 46.5,28.7 47.4,27.8 47.4,16.9 46.5,16
ACDC+ on Layer 2 "ACDC+_L03_P099" (solid, remove dead copper, pour order 99): 47.4,27.8 47.4,16.9 46.5,16 46.5,13 47.5,12 52.2,12 53.5,13.3 53.5,27.2 52,28.7 48.3,28.7
BATT- on Layer 2 "BATT-_L03_P005" (solid, remove dead copper, pour order 5): 14.4,40.4 14.4,27.4 14.187,27.187 14.187,20.713 12.774,19.3 10.4,19.3 9.1,20.6 9.1,40.2 10.3,41.4 13.2,41.4
BATT+ on Layer 2 "BATT+_L03_P004" (solid, remove dead copper, pour order 4): 14.4,27.4 14.187,27.187 14.187,20.713 15.7,19.2 18.1,19.2 19.735,20.835 19.735,40.165 18.5,41.4 15.4,41.4 14.4,40.4
GND on Layer 3 "Top Layer-GND" (solid, remove dead copper, pour order 164): 54 vertices, not listed, extent 0,0 105,115
DCDC+ on Layer 3 "DCDC+_L04_P155" (solid, remove dead copper, pour order 155): 19 vertices, not listed, extent 13.9,8.6 29.4,28.1
GND_DC on Layer 3 "GND_DC_L04_P148" (solid, remove dead copper, pour order 148): 19 vertices, not listed, extent 20.666,8.6 34.9,28.1
BATT+ on Layer 3 "BATT+_L04_P147" (solid, remove dead copper, pour order 147): 14.4,40.4 14.4,27.4 14.187,27.187 14.187,20.713 12.774,19.3 10.4,19.3 9.1,20.6 9.1,40.2 10.3,41.4 13.2,41.4
BATT- on Layer 3 "BATT-_L04_P138" (solid, remove dead copper, pour order 138): 14.4,27.4 14.187,27.187 14.187,20.713 15.7,19.2 18.1,19.2 19.735,20.835 19.735,40.165 18.5,41.4 15.4,41.4 14.4,40.4
BATT- on Layer 3 "BATT-_L04_P137" (solid, remove dead copper, pour order 137): 14.4,40.4 14.4,27.4 14.187,27.187 14.187,20.713 12.774,19.3 10.4,19.3 9.1,20.6 9.1,40.2 10.3,41.4 13.2,41.4
BATT+ on Layer 3 "BATT+_L04_P126" (solid, remove dead copper, pour order 126): 14.4,27.4 14.187,27.187 14.187,20.713 15.7,19.2 18.1,19.2 19.735,20.835 19.735,40.165 18.5,41.4 15.4,41.4 14.4,40.4
GND_AC on Layer 3 "GND_AC_L04_P110" (solid, remove dead copper, pour order 110): 46.5,12.6 45.9,12 42.9,12 41.6,13.3 41.6,27.5 42.8,28.7 46.5,28.7 47.4,27.8 47.4,16.9 46.5,16
ACDC+ on Layer 3 "ACDC+_L04_P101" (solid, remove dead copper, pour order 101): 47.4,27.8 47.4,16.9 46.5,16 46.5,13 47.5,12 52.2,12 53.5,13.3 53.5,27.2 52,28.7 48.3,28.7
BATT- on Layer 3 "BATT-_L04_P007" (solid, remove dead copper, pour order 7): 14.4,40.4 14.4,27.4 14.187,27.187 14.187,20.713 12.774,19.3 10.4,19.3 9.1,20.6 9.1,40.2 10.3,41.4 13.2,41.4
BATT+ on Layer 3 "BATT+_L04_P006" (solid, remove dead copper, pour order 6): 14.4,27.4 14.187,27.187 14.187,20.713 15.7,19.2 18.1,19.2 19.735,20.835 19.735,40.165 18.5,41.4 15.4,41.4 14.4,40.4
GND on Layer 4 "Top Layer-GND" (solid, remove dead copper, pour order 170): 54 vertices, not listed, extent 0,0 105,115
CMPRSR+ on Layer 4 "CMPRSR+_L05_P008" (solid, pour order 8): 93.5,28.5 93.5,24.2 95.9,21.8 95.9,8.4 98.6,8.4 98.6,23.6 96.1,26.1 96.1,28.5
SR1_P on Layer 4 "SR1_P_L05_P103" (solid, remove dead copper, pour order 103): 18.475,59.6 18.475,49.625 20.3,47.8 29.5,47.8 30,48.3 30,54.2 29.3,54.9 22.1,54.9 21.3,55.7 21.325,55.725 21.325,59.6
DCDC+ on Layer 4 "DCDC+_L05_P165" (solid, remove dead copper, pour order 165): 19 vertices, not listed, extent 13.9,8.6 29.4,28.1
GND_DC on Layer 4 "GND_DC_L05_P157" (solid, remove dead copper, pour order 157): 19 vertices, not listed, extent 20.666,8.6 34.9,28.1
BATT+ on Layer 4 "BATT+_L05_P150" (solid, remove dead copper, pour order 150): 14.4,40.4 14.4,27.4 14.187,27.187 14.187,20.713 12.774,19.3 10.4,19.3 9.1,20.6 9.1,40.2 10.3,41.4 13.2,41.4
BATT- on Layer 4 "BATT-_L05_P149" (solid, remove dead copper, pour order 149): 14.4,27.4 14.187,27.187 14.187,20.713 15.7,19.2 18.1,19.2 19.735,20.835 19.735,40.165 18.5,41.4 15.4,41.4 14.4,40.4
BATT- on Layer 4 "BATT-_L05_P140" (solid, remove dead copper, pour order 140): 14.4,40.4 14.4,27.4 14.187,27.187 14.187,20.713 12.774,19.3 10.4,19.3 9.1,20.6 9.1,40.2 10.3,41.4 13.2,41.4
BATT+ on Layer 4 "BATT+_L05_P139" (solid, remove dead copper, pour order 139): 14.4,27.4 14.187,27.187 14.187,20.713 15.7,19.2 18.1,19.2 19.735,20.835 19.735,40.165 18.5,41.4 15.4,41.4 14.4,40.4
GND_AC on Layer 4 "GND_AC_L05_P127" (solid, remove dead copper, pour order 127): 46.5,12.6 45.9,12 42.9,12 41.6,13.3 41.6,27.5 42.8,28.7 46.5,28.7 47.4,27.8 47.4,16.9 46.5,16
ACDC+ on Layer 4 "ACDC+_L05_P111" (solid, remove dead copper, pour order 111): 47.4,27.8 47.4,16.9 46.5,16 46.5,13 47.5,12 52.2,12 53.5,13.3 53.5,27.2 52,28.7 48.3,28.7
BATT- on Layer 4 "BATT-_L05_P050" (solid, remove dead copper, pour order 50): 14.4,40.4 14.4,27.4 14.187,27.187 14.187,20.713 12.774,19.3 10.4,19.3 9.1,20.6 9.1,40.2 10.3,41.4 13.2,41.4
BATT+ on Layer 4 "BATT+_L05_P009" (solid, remove dead copper, pour order 9): 14.4,27.4 14.187,27.187 14.187,20.713 15.7,19.2 18.1,19.2 19.735,20.835 19.735,40.165 18.5,41.4 15.4,41.4 14.4,40.4
GND on Bottom Layer "Top Layer-GND" (solid, remove dead copper, pour order 166): 54 vertices, not listed, extent 0,0 105,115
GND_CMP on Bottom Layer "GND_CMP_L06_P129" (solid, remove dead copper, pour order 129): 105,30.5 90.9,30.5 90.1,31.3 90.1,32.8 91,33.7 105,33.7
NetC38_2 on Bottom Layer "NETC38_2_L06_P088" (solid, remove dead copper, pour order 88): 54.7,96.7 55.1,97.1 57.2,97.1 58.4,95.9 58.4,90 58.2,89.8 57.3,89.8 57.3,87 55.2,87 54.7,87.5
NetC38_2 on Bottom Layer "NETC38_2_L06_P087" (solid, remove dead copper, pour order 87): 53.9,87.05 57.25,87.05 57.25,89.45 58.5,90.7 58.5,95.8 57.2,97.1 55.1,97.1 53.9,95.9
CMPRSR+ on Bottom Layer "CMPRSR+_L06_P128" (solid, remove dead copper, pour order 128): 105,30.1 90.5,30.1 90.1,29.7 90.1,28.3 91.2,27.2 105,27.2
+10-25V on Bottom Layer "+10-25V_L06_P123" (solid, remove dead copper, pour order 123): 77.5,91.8 77.5,82.5 53.175,82.5 52.075,83.6 51.6,83.6 51.6,89.725 53.675,91.8
GND_FAN2 on Bottom Layer "GND_FAN2_L06_P027" (solid, remove dead copper, pour order 27): 59.4,37.755 59.95,38.355 59.95,40.45 61.1,41.6 63.9,41.6 63.9,38.3 63.1,37.5 63.1,30.7 60.7,30.7 60.2,31.2 60.2,33.7 59.4,34.5
+12V_FAN2 on Bottom Layer "+12V_FAN2_L06_P026" (solid, remove dead copper, pour order 26): 63.9,41.6 63.9,38.3 63.1,37.5 63.1,30.7 65.5,30.7 66,31.2 66,34.1 66.9,35 66.8,35.1 66.8,40.3 65.5,41.6
AC1_P on Bottom Layer "AC1_P_L06_P070" (solid, remove dead copper, pour order 70): 40.255,100.645 42.3,98.6 61.525,98.6 61.525,104.6 30.3,104.6 29.195,103.495 25.795,103.495 25.795,100.645
SR1_P on Bottom Layer "SR1_P_L06_P049" (solid, remove dead copper, pour order 49): 29.2,53.9 30.7,55.4 22.675,55.4 21.325,56.75 21.325,59.6 18.475,59.6 18.475,49.625 20.3,47.8 28.5,47.8 29.2,48.5
SR1_P on Bottom Layer "SR1_P_L06_P073" (solid, remove dead copper, pour order 73): 21.325,59.6 22.125,58.8 31.5,58.8 32.2,59.5 32.2,66.6 32.8,67.2 37.3,67.2 37.9,66.6 37.9,57.2 35.7,55 22.525,55 21.325,56.2 18.475,56.2 18.475,59.6
+10-25V on Bottom Layer "+10-25V_L06_P122" (solid, remove dead copper, pour order 122): 50.9,91.9 49.7,90.7 49.7,52.5 50.3,51.9 53.2,51.9 56,54.7 56,89.6 53.7,91.9
GND_EXT on Bottom Layer "GND_EXT_L06_P040" (solid, remove dead copper, pour order 40): 88.317,88 94.9,88 98.1,84.8 98.1,75.4 97,74.3 94.9,74.3 94,75.2 94,80.7 88.317,86.383
DCDC+ on Bottom Layer "DCDC+_L06_P159" (solid, remove dead copper, pour order 159): 19 vertices, not listed, extent 13.9,8.6 29.4,28.1
GND_DC on Bottom Layer "GND_DC_L06_P130" (solid, remove dead copper, pour order 130): 19 vertices, not listed, extent 20.666,8.6 34.9,28.1
+10-25V_C_F on Bottom Layer "+10-25V_C_F_L06_P117" (solid, remove dead copper, pour order 117): 91.6,21.6 91.6,20.6 92.2,20 92.2,16.6 93.1,15.7 94.5,15.7 95,16.2 95,21.6 94.7,21.9 91.9,21.9
DCDC_F on Bottom Layer "DCDC_F_L06_P113" (solid, remove dead copper, pour order 113): 29.2,44.6 28.7,45.1 25.4,45.1 24.3,44 24.3,31.9 25.2,31 28.3,31 29.2,31.9
GND_AC on Bottom Layer "GND_AC_L06_P112" (solid, remove dead copper, pour order 112): 46.5,12.6 45.9,12 42.9,12 41.6,13.3 41.6,27.5 42.8,28.7 46.5,28.7 47.4,27.8 47.4,16.9 46.5,16
CHASSIS on Bottom Layer "CHASSIS_L06_P107" (solid, remove dead copper, pour order 107): 39.25,24.325 39.25,12.225 38.15,11.125 38.15,6.075 36.85,6.075 35.8,7.125 35.8,22.175 37.95,24.325
ACDC+ on Bottom Layer "ACDC+_L06_P105" (solid, remove dead copper, pour order 105): 47.4,27.8 47.4,16.9 46.5,16 46.5,13 47.5,12 52.2,12 53.5,13.3 53.5,27.2 52,28.7 48.3,28.7
ACDC_F on Bottom Layer "ACDC_F_L06_P094" (solid, remove dead copper, pour order 94): 47.6,45.1 48.1,45.6 51.1,45.6 52.5,44.2 52.5,32.7 51.6,31.8 48.5,31.8 47.6,32.7
+10-25V_OR on Bottom Layer "+10-25V_OR_L06_P093" (solid, remove dead copper, pour order 93): 29.205,52.855 30.8,54.45 31.05,54.7 37.6,54.7 46.6,45.7 46.6,39.25 45.95,38.6 30.95,38.6 29.205,40.345
NetC99_2 on Bottom Layer "NETC99_2_L06_P060" (solid, remove dead copper, pour order 60): 82.05,68 83.3,68 83.7,68.4 84.1,68.4 84.3,68.2 84.3,66.2 84.1,66 83.7,66 83.3,66.4 82.05,66.4
+10-25VOUT on Bottom Layer "+10-25VOUT_L06_P039" (solid, remove dead copper, pour order 39): 101.8,90.5 101.8,75.1 101,74.3 99.2,74.3 98.1,75.4 98.1,94.2
GND_HTR on Bottom Layer "GND_HTR_L06_P035" (solid, remove dead copper, pour order 35): 63.93,45.07 63.93,57.03 63.36,57.6 61.96,57.6 60.26,55.9 60.26,46.9 62.09,45.07
+12V_HTR on Bottom Layer "+12V_HTR_L06_P034" (solid, remove dead copper, pour order 34): 63.93,45.07 63.93,57.03 64.5,57.6 65.9,57.6 67.6,55.9 67.6,46.9 65.77,45.07
+12V_FAN1 on Bottom Layer "+12V_FAN1_L06_P029" (solid, remove dead copper, pour order 29): 64.8,42.5 64.3,43 64.3,43.7 64.9,44.3 65.3,44.3 68.6,47.6 74.5,47.6 76,46.1 76,44.5 75.4,43.9 68.5,43.9 67.1,42.5
GND_FAN1 on Bottom Layer "GND_FAN1_L06_P028" (solid, remove dead copper, pour order 28): 17 vertices, not listed, extent 61.8,40.2 76,44.2
BATT+ on Bottom Layer "BATT+_L06_P011" (solid, remove dead copper, pour order 11): 14.4,40.4 14.4,27.4 14.187,27.187 14.187,20.713 12.774,19.3 10.4,19.3 9.1,20.6 9.1,40.2 10.3,41.4 13.2,41.4
BATT- on Bottom Layer "BATT-_L06_P010" (solid, remove dead copper, pour order 10): 14.4,27.4 14.187,27.187 14.187,20.713 15.7,19.2 18.1,19.2 19.735,20.835 19.735,40.165 18.5,41.4 15.4,41.4 14.4,40.4

## Keep-outs
Top Layer:
  lines w0.5: 84.154,71.2 84.154,88 84.154,88.354
  lines w0.8: 14.187,18.487 14.187,40.9 ; 20.666,5.634 20.666,6.234 20.666,11.712 24.254,15.3 25.5,15.3 26.4,16.2 26.4,19 27.2,19.8 28.8,19.8 29.4,20.4 29.4,21.4 29.4,28 ; 46.5,6 46.5,15.3 47.4,16.2 47.4,28.5 ; 63.93,45.07 63.93,57.3 ; 90.5,30.527 105,30.5 ; 100.6,20.8 100.6,28.3
Layer 1:
  lines w0.8: 14.187,18.487 14.187,40.9 ; 20.666,5.634 20.666,6.234 20.666,11.712 24.254,15.3 25.5,15.3 26.4,16.2 26.4,19 27.2,19.8 28.8,19.8 29.4,20.4 29.4,21.4 29.4,28 ; 46.5,6 46.5,15.3 47.4,16.2 47.4,28.5
Layer 2:
  lines w0.8: 14.187,18.487 14.187,40.9 ; 14.187,20.351 14.187,27.187 ; 20.666,5.634 20.666,6.234 20.666,11.712 24.254,15.3 25.5,15.3 26.4,16.2 26.4,19 27.2,19.8 28.8,19.8 29.4,20.4 29.4,21.4 29.4,28 ; 46.5,6 46.5,15.3 47.4,16.2 47.4,28.5
Layer 3:
  lines w0.8: 14.187,18.487 14.187,40.9 ; 14.187,20.351 14.187,27.187 ; 20.666,5.634 20.666,6.234 20.666,11.712 24.254,15.3 25.5,15.3 26.4,16.2 26.4,19 27.2,19.8 28.8,19.8 29.4,20.4 29.4,21.4 29.4,28 ; 46.5,6 46.5,15.3 47.4,16.2 47.4,28.5
Layer 4:
  lines w0.8: 14.187,18.487 14.187,40.9 ; 14.187,20.351 14.187,27.187 ; 20.666,5.634 20.666,6.234 20.666,11.712 24.254,15.3 25.5,15.3 26.4,16.2 26.4,19 27.2,19.8 28.8,19.8 29.4,20.4 29.4,21.4 29.4,28 ; 46.5,6 46.5,15.3 47.4,16.2 47.4,28.5
Bottom Layer:
  lines w0.8: 14.187,18.487 14.187,40.9 ; 20.666,5.634 20.666,6.234 20.666,11.712 24.254,15.3 25.5,15.3 26.4,16.2 26.4,19 27.2,19.8 28.8,19.8 29.4,20.4 29.4,21.4 29.4,28 ; 46.5,12.3 46.5,15.3 47.4,16.2 47.4,28.5 ; 63.1,30.7 63.1,37.5 63.9,38.3 63.9,41.6 ; 63.93,45.07 63.93,57.6 ; 68.3,43.3 68.9,43.9 75.7,43.9 ; 90.5,30.527 105,30.5 ; 98.1,86.3 98.1,74.2 ; 98.1,74.2 98.1,74.2
Keep-Out Layer:
  circle w0.2: c4,101 r3
  circle w0.2: c101,101 r3
  circle w0.2: c101,4 r3
  circle w0.2: c4,4 r3
  lines w0.2: 0,0 105,0 105,115 0,115 0,0

## Other copper
Top Layer:
  pour cut-out: 16.675,56.2 16.675,59.6 16.3,59.975 16.3,66.1 17.25,67.05 17.95,67.05 18.85,66.15 18.85,59.975 18.475,59.6 18.475,56.2
  pour cut-out: 25.795,100.645 25.24,101.2 20,101.2 19.445,100.645 19.445,98.845 19.995,98.295 25.245,98.295 25.795,98.845 29.195,98.845 29.195,100.645

## Silkscreen, mask and mechanical layers (free items; w line width, h text height)
Top Overlay:
  text "GND" at 71.278,62.2 h2 r90
  text "+12V" at 74.2,62.1 h2 r90
Bottom Overlay:
  text "Power_V2_01" at 80,6.633 h3
Board Shape:
  the board outline again, w0.2
Route Tool Path:
  lines w2: -1,0 ccw(c0,0) 0,-1 ; -1,0 ccw(c0,0) 0,-1 ; -1,0 -1,115 ; -1,115 cw(c0,115) 0,116 ; -1,115 cw(c0,115) 0,116 ; 0,-1 105,-1 ; 0,116 105,116 ; 105,-1 ccw(c105,0) 106,0 ; 105,-1 ccw(c105,0) 106,0 ; 105,116 cw(c105,115) 106,115 ; 105,116 cw(c105,115) 106,115 ; 106,0 106,115
Board:
  text "Material: FR4 / Thickness: 1.6 mm / Plating: ENIG / Copper: 1 oz / Board Routing Layer: Mechanical 2" at 107.728,99.385 h1